# KiCad board panel.opm-lowside.kicad_pcb (continued)
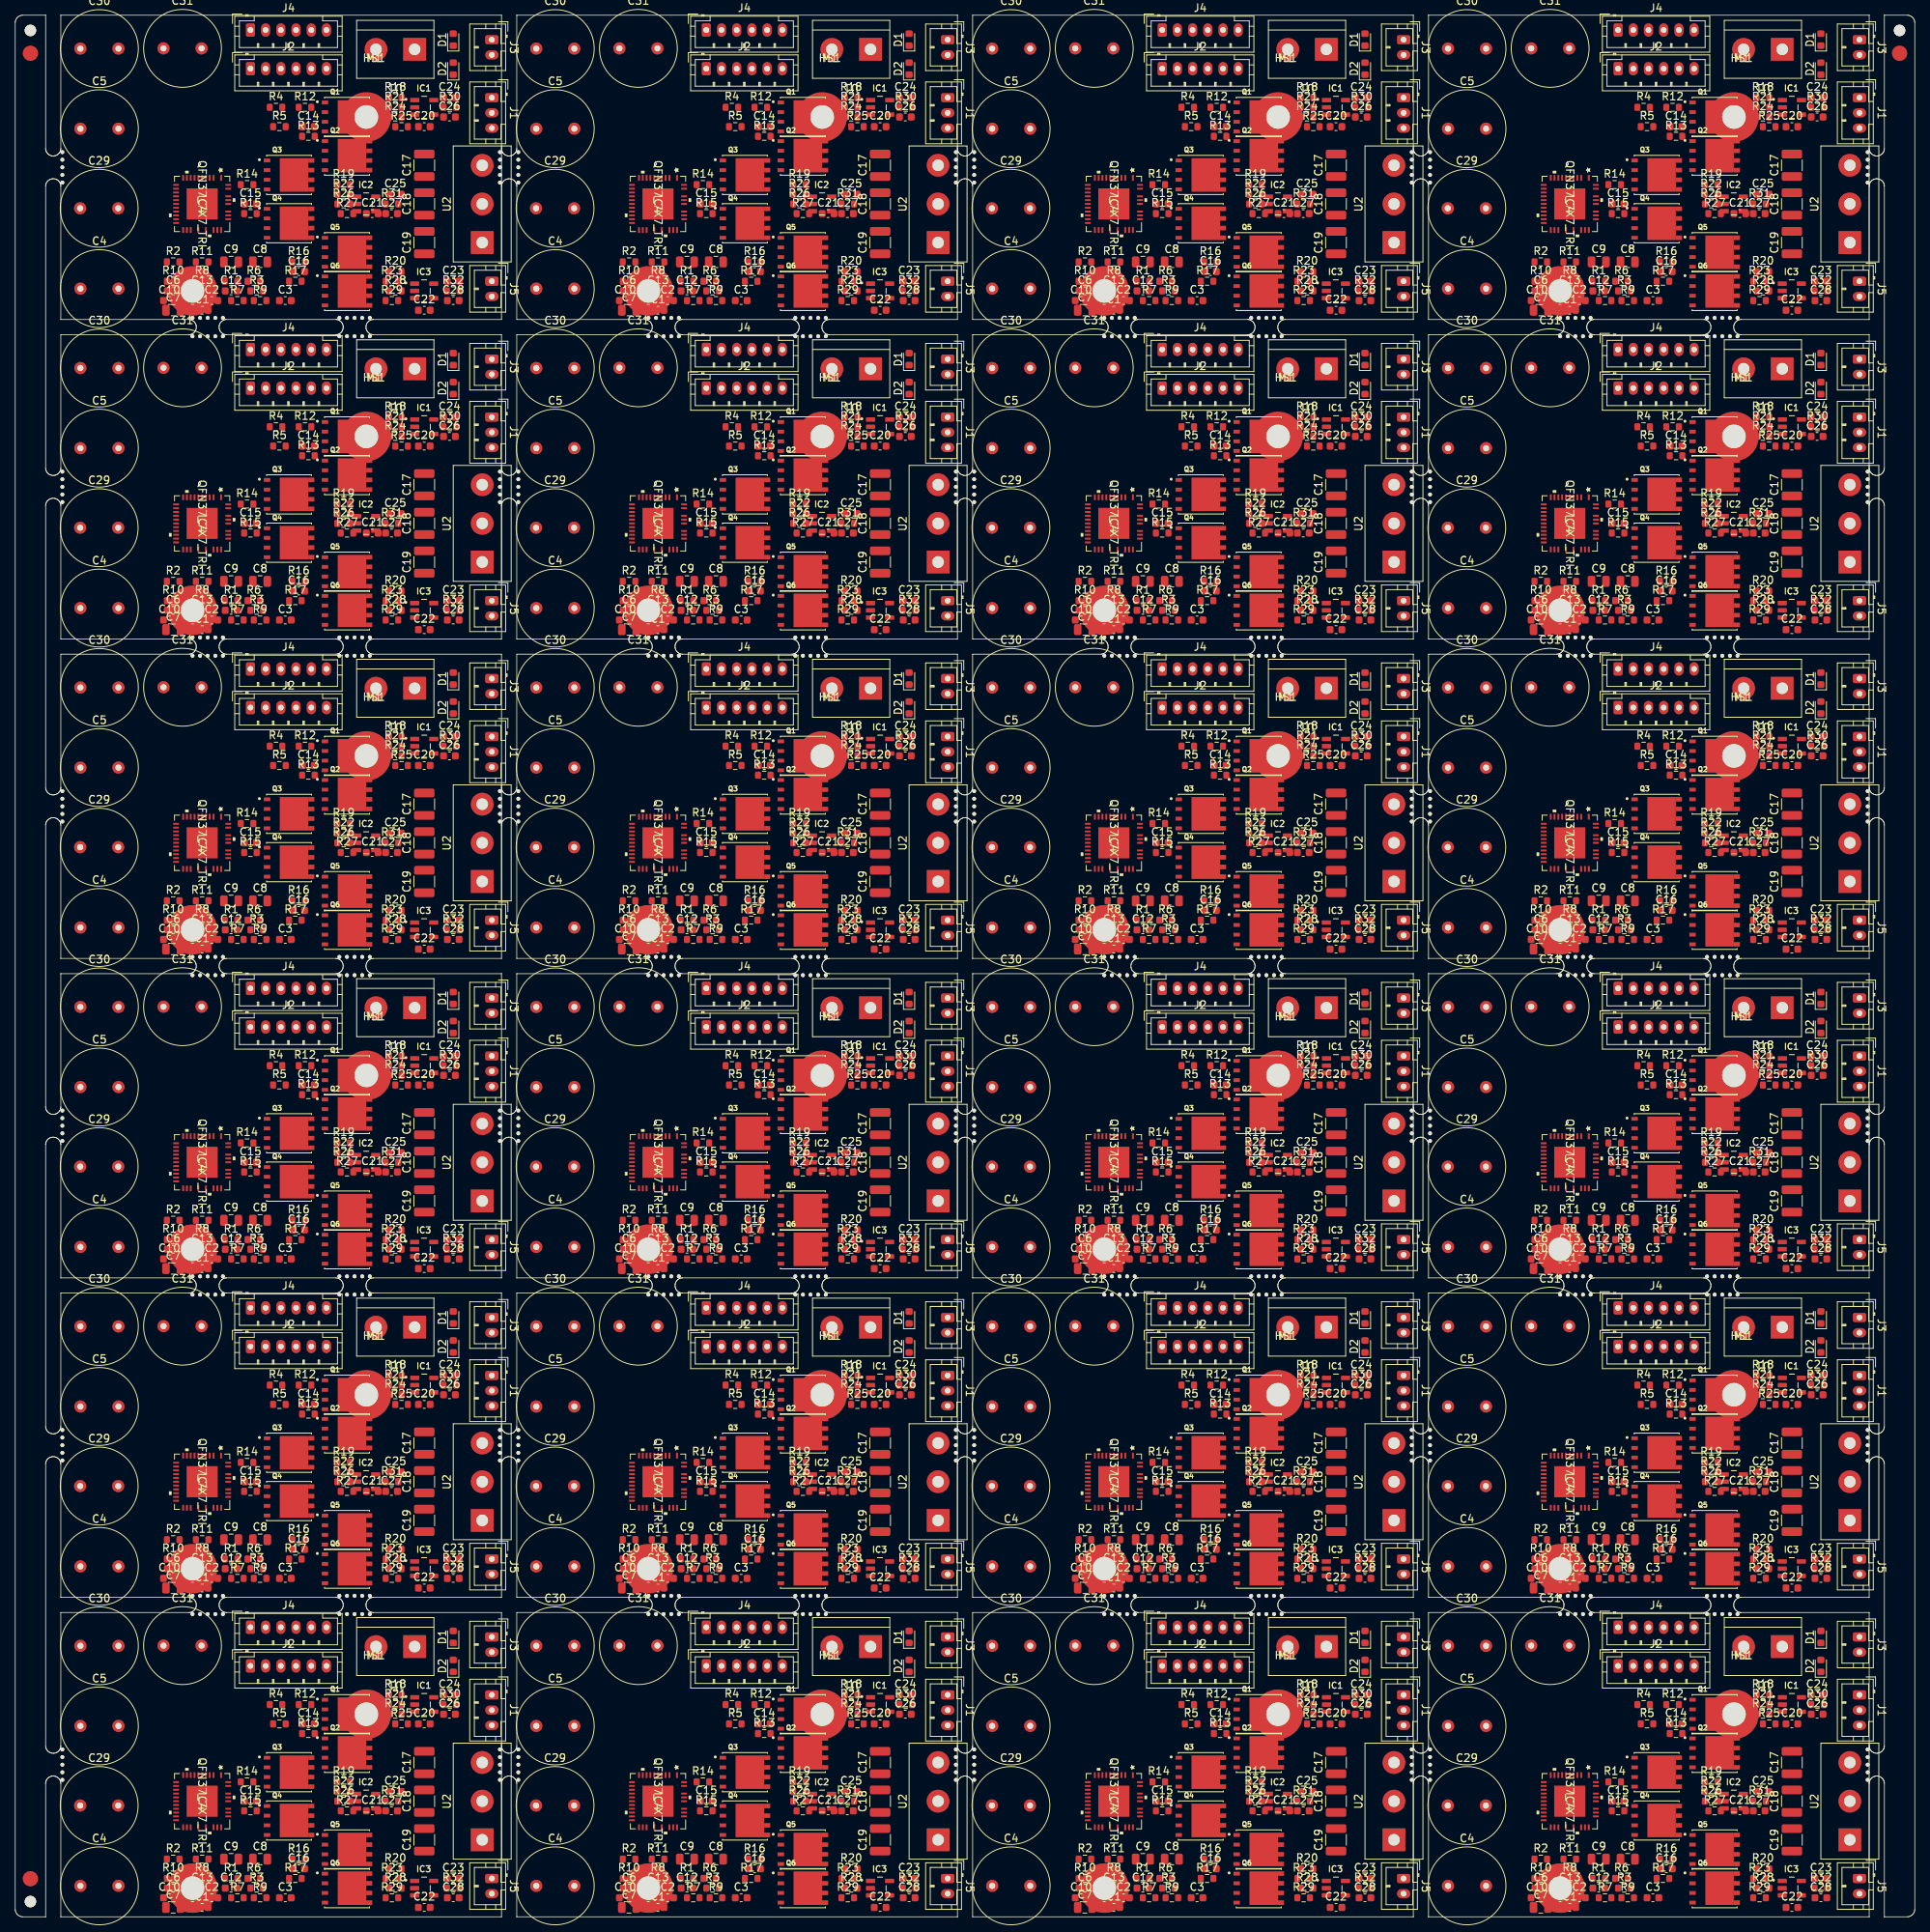
[diagram p0: board, top side]
## Nets (continued)
Board_0-/Connectors/VCC_IO: J3.1
Board_1-/5Vout: C9#2.1 IC4#2.7
Board_1-/12Vout: C8#2.1 IC4#2.6
Board_1-/+Vcc_IO: C10#2.1 IC4#2.16
Board_1-/Connectors/+VCC_IO: R6#2.1 R8#2.1
Board_1-/Connectors/VCC: R4#2.2
Board_1-/Connectors/VCC_IO: J3#2.1
Board_2-/5Vout: C9#3.1 IC4#3.7
Board_2-/12Vout: C8#3.1 IC4#3.6
Board_2-/+Vcc_IO: C10#3.1 IC4#3.16
Board_2-/Connectors/+VCC_IO: R6#3.1 R8#3.1
Board_2-/Connectors/VCC: R4#3.2
Board_2-/Connectors/VCC_IO: J3#3.1
Board_3-/5Vout: C9#4.1 IC4#4.7
Board_3-/12Vout: C8#4.1 IC4#4.6
Board_3-/+Vcc_IO: C10#4.1 IC4#4.16
Board_3-/Connectors/+VCC_IO: R6#4.1 R8#4.1
Board_3-/Connectors/VCC: R4#4.2
Board_3-/Connectors/VCC_IO: J3#4.1
Board_4-/5Vout: C9#5.1 IC4#5.7
Board_4-/12Vout: C8#5.1 IC4#5.6
Board_4-/+Vcc_IO: C10#5.1 IC4#5.16
Board_4-/Connectors/+VCC_IO: R6#5.1 R8#5.1
Board_4-/Connectors/VCC: R4#5.2
Board_4-/Connectors/VCC_IO: J3#5.1
Board_5-/5Vout: C9#6.1 IC4#6.7
Board_5-/12Vout: C8#6.1 IC4#6.6
Board_5-/+Vcc_IO: C10#6.1 IC4#6.16
Board_5-/Connectors/+VCC_IO: R6#6.1 R8#6.1
Board_5-/Connectors/VCC: R4#6.2
Board_5-/Connectors/VCC_IO: J3#6.1
Board_6-/5Vout: C9#7.1 IC4#7.7
Board_6-/12Vout: C8#7.1 IC4#7.6
Board_6-/+Vcc_IO: C10#7.1 IC4#7.16
Board_6-/Connectors/+VCC_IO: R6#7.1 R8#7.1
Board_6-/Connectors/VCC: R4#7.2
Board_6-/Connectors/VCC_IO: J3#7.1
Board_7-/5Vout: C9#8.1 IC4#8.7
Board_7-/12Vout: C8#8.1 IC4#8.6
Board_7-/+Vcc_IO: C10#8.1 IC4#8.16
Board_7-/Connectors/+VCC_IO: R6#8.1 R8#8.1
Board_7-/Connectors/VCC: R4#8.2
Board_7-/Connectors/VCC_IO: J3#8.1
Board_8-/5Vout: C9#9.1 IC4#9.7
Board_8-/12Vout: C8#9.1 IC4#9.6
Board_8-/+Vcc_IO: C10#9.1 IC4#9.16
Board_8-/Connectors/+VCC_IO: R6#9.1 R8#9.1
Board_8-/Connectors/VCC: R4#9.2
Board_8-/Connectors/VCC_IO: J3#9.1
Board_9-/5Vout: C9#10.1 IC4#10.7
Board_9-/12Vout: C8#10.1 IC4#10.6
Board_9-/+Vcc_IO: C10#10.1 IC4#10.16
Board_9-/Connectors/+VCC_IO: R6#10.1 R8#10.1
Board_9-/Connectors/VCC: R4#10.2
Board_9-/Connectors/VCC_IO: J3#10.1
Board_10-/5Vout: C9#11.1 IC4#11.7
Board_10-/12Vout: C8#11.1 IC4#11.6
Board_10-/+Vcc_IO: C10#11.1 IC4#11.16
Board_10-/Connectors/+VCC_IO: R6#11.1 R8#11.1
Board_10-/Connectors/VCC: R4#11.2
Board_10-/Connectors/VCC_IO: J3#11.1
Board_11-/5Vout: C9#12.1 IC4#12.7
Board_11-/12Vout: C8#12.1 IC4#12.6
Board_11-/+Vcc_IO: C10#12.1 IC4#12.16
Board_11-/Connectors/+VCC_IO: R6#12.1 R8#12.1
Board_11-/Connectors/VCC: R4#12.2
Board_11-/Connectors/VCC_IO: J3#12.1
Board_12-/5Vout: C9#13.1 IC4#13.7
Board_12-/12Vout: C8#13.1 IC4#13.6
Board_12-/+Vcc_IO: C10#13.1 IC4#13.16
Board_12-/Connectors/+VCC_IO: R6#13.1 R8#13.1
Board_12-/Connectors/VCC: R4#13.2
Board_12-/Connectors/VCC_IO: J3#13.1
Board_13-/5Vout: C9#14.1 IC4#14.7
Board_13-/12Vout: C8#14.1 IC4#14.6
Board_13-/+Vcc_IO: C10#14.1 IC4#14.16
Board_13-/Connectors/+VCC_IO: R6#14.1 R8#14.1
Board_13-/Connectors/VCC: R4#14.2
Board_13-/Connectors/VCC_IO: J3#14.1
Board_14-/5Vout: C9#15.1 IC4#15.7
Board_14-/12Vout: C8#15.1 IC4#15.6
Board_14-/+Vcc_IO: C10#15.1 IC4#15.16
Board_14-/Connectors/+VCC_IO: R6#15.1 R8#15.1
Board_14-/Connectors/VCC: R4#15.2
Board_14-/Connectors/VCC_IO: J3#15.1
Board_15-/5Vout: C9#16.1 IC4#16.7
Board_15-/12Vout: C8#16.1 IC4#16.6
Board_15-/+Vcc_IO: C10#16.1 IC4#16.16
Board_15-/Connectors/+VCC_IO: R6#16.1 R8#16.1
Board_15-/Connectors/VCC: R4#16.2
Board_15-/Connectors/VCC_IO: J3#16.1
Board_16-/5Vout: C9#17.1 IC4#17.7
Board_16-/12Vout: C8#17.1 IC4#17.6
Board_16-/+Vcc_IO: C10#17.1 IC4#17.16
Board_16-/Connectors/+VCC_IO: R6#17.1 R8#17.1
Board_16-/Connectors/VCC: R4#17.2
Board_16-/Connectors/VCC_IO: J3#17.1
Board_17-/5Vout: C9#18.1 IC4#18.7
Board_17-/12Vout: C8#18.1 IC4#18.6
Board_17-/+Vcc_IO: C10#18.1 IC4#18.16
Board_17-/Connectors/+VCC_IO: R6#18.1 R8#18.1
Board_17-/Connectors/VCC: R4#18.2
Board_17-/Connectors/VCC_IO: J3#18.1
Board_18-/5Vout: C9#19.1 IC4#19.7
Board_18-/12Vout: C8#19.1 IC4#19.6
Board_18-/+Vcc_IO: C10#19.1 IC4#19.16
Board_18-/Connectors/+VCC_IO: R6#19.1 R8#19.1
Board_18-/Connectors/VCC: R4#19.2
Board_18-/Connectors/VCC_IO: J3#19.1
Board_19-/5Vout: C9#20.1 IC4#20.7
Board_19-/12Vout: C8#20.1 IC4#20.6
Board_19-/+Vcc_IO: C10#20.1 IC4#20.16
Board_19-/Connectors/+VCC_IO: R6#20.1 R8#20.1
Board_19-/Connectors/VCC: R4#20.2
Board_19-/Connectors/VCC_IO: J3#20.1
Board_20-/5Vout: C9#21.1 IC4#21.7
Board_20-/12Vout: C8#21.1 IC4#21.6
Board_20-/+Vcc_IO: C10#21.1 IC4#21.16
Board_20-/Connectors/+VCC_IO: R6#21.1 R8#21.1
Board_20-/Connectors/VCC: R4#21.2
Board_20-/Connectors/VCC_IO: J3#21.1
Board_21-/5Vout: C9#22.1 IC4#22.7
Board_21-/12Vout: C8#22.1 IC4#22.6
Board_21-/+Vcc_IO: C10#22.1 IC4#22.16
Board_21-/Connectors/+VCC_IO: R6#22.1 R8#22.1
Board_21-/Connectors/VCC: R4#22.2
Board_21-/Connectors/VCC_IO: J3#22.1
Board_22-/5Vout: C9#23.1 IC4#23.7
Board_22-/12Vout: C8#23.1 IC4#23.6
Board_22-/+Vcc_IO: C10#23.1 IC4#23.16
Board_22-/Connectors/+VCC_IO: R6#23.1 R8#23.1
Board_22-/Connectors/VCC: R4#23.2
Board_22-/Connectors/VCC_IO: J3#23.1
Board_23-/5Vout: C9#24.1 IC4#24.7
Board_23-/12Vout: C8#24.1 IC4#24.6
Board_23-/+Vcc_IO: C10#24.1 IC4#24.16
Board_23-/Connectors/+VCC_IO: R6#24.1 R8#24.1
Board_23-/Connectors/VCC: R4#24.2
Board_23-/Connectors/VCC_IO: J3#24.1
Board_0-+5V: C1.2 C2.2 C3.2 C4.2 C5.2 C6.2 C7.2 C8.2 C9.2 C10.2 C12.1 C17.2 C18.2 C19.2 C23.1 C24.1 C25.1 C26.2 C27.2 C28.2 C29.2 C30.2 C31.2 D1.1 D2.1 IC1.2 IC2.2 IC3.2 IC4.8 IC4.9 J3.2 J5.2 R3.2 R7.2 R9.2 R11.2 R18.2 R19.2 R21.2 R22.2 R25.2 R27.2 U1.1
Board_0-/+VM: C4.1 C5.1 C12.2 C13.2 C17.1 C18.1 C19.1 C29.1 C30.1 C31.1 IC4.28 Q1.1 Q1.2 Q1.3 Q3.1 Q3.2 Q3.3 Q5.1 Q5.2 Q5.3 U1.2
Board_0-/ADC_I_u: J1.1
Board_0-/ADC_I_w: J1.3
Board_0-/Connectors/ADC_I_v: J1.2
Board_0-/Connectors/FAULT: J2.6
Board_0-/Connectors/Fault: R5.2
Board_0-/Connectors/SPI1_MISO: J2.4
Board_0-/Connectors/SPI1_MOSI: J2.3
Board_0-/Connectors/SPI1_SCK: J2.2
Board_0-/Connectors/VOFS: R6.2 R7.1
Board_0-/DRV_EN: IC4.24 J2.5
Board_0-/Fault: IC4.23
Board_0-/Motor Driver/SPI2_MISO: IC4.13
Board_0-/SPE: IC4.22 R8.2 R9.1
Board_0-/SPI2_MOSI: IC4.12
Board_0-/SPI2_SCK: IC4.11
Board_0-/U: C3.1 U2.3
Board_0-/UH: IC4.14 J4.6
Board_0-/UL: IC4.15 J4.5
Board_0-/V: C2.1 U2.2
Board_0-/VCP: C13.1 IC4.29
Board_0-/VH: IC4.17 J4.4
Board_0-/VL: IC4.18 J4.3
Board_0-/VSA: C7.1 IC4.25 R10.1
Board_0-/W: C1.1 U2.1
Board_0-/WH: IC4.19 J4.2
Board_0-/WL: IC4.20 J4.1
Board_0-/~{CS_DRIVER}: IC4.10 J2.1
Board_0-Net-(C6-Pad1): C6.1 J5.1 R2.2 R3.1
Board_0-Net-(C11-Pad1): C11.1 IC4.27
Board_0-Net-(C11-Pad2): C11.2 IC4.26
Board_0-Net-(C14-Pad1): C14.1 IC4.36 Q1.5 Q1.6 Q1.7 Q1.8 Q2.1 Q2.2 Q2.3
Board_0-Net-(C14-Pad2): C14.2 IC4.1
Board_0-Net-(C15-Pad1): C15.1 IC4.33 Q3.5 Q3.6 Q3.7 Q3.8 Q4.1 Q4.2 Q4.3
Board_0-Net-(C15-Pad2): C15.2 IC4.35
Board_0-Net-(C16-Pad1): C16.1 IC4.32 Q5.5 Q5.6 Q5.7 Q5.8 Q6.1 Q6.2 Q6.3
Board_0-Net-(C16-Pad2): C16.2 IC4.30
Board_0-Net-(C20-Pad1): C20.1 IC1.3 R24.1
Board_0-Net-(C20-Pad2): C20.2 IC1.4 R25.1
Board_0-Net-(C21-Pad1): C21.1 IC2.3 R26.1
Board_0-Net-(C21-Pad2): C21.2 IC2.4 R27.1
Board_0-Net-(C22-Pad1): C22.1 IC3.3 R28.1
Board_0-Net-(C22-Pad2): C22.2 IC3.4 R29.1
Board_0-Net-(C23-Pad2): C23.2 IC3.5
Board_0-Net-(C24-Pad2): C24.2 IC1.5
Board_0-Net-(C25-Pad2): C25.2 IC2.5
Board_0-Net-(D1-Pad2): D1.2 R4.1
Board_0-Net-(D2-Pad2): D2.2 R5.1
Board_0-Net-(IC1-Pad1): IC1.1 R30.2
Board_0-Net-(IC2-Pad1): IC2.1 R31.2
Board_0-Net-(IC3-Pad1): IC3.1 R32.2
Board_0-Net-(IC4-Pad2): IC4.2
Board_0-Net-(IC4-Pad3): IC4.3 R17.2
Board_0-Net-(IC4-Pad4): IC4.4 R15.2
Board_0-Net-(IC4-Pad5): IC4.5 R13.2
Board_0-Net-(IC4-Pad21): IC4.21 R11.1
Board_0-Net-(IC4-Pad31): IC4.31 R16.2
Board_0-Net-(IC4-Pad34): IC4.34 R14.2
Board_0-Net-(IC4-Pad37): IC4.37 R12.2
Board_0-Net-(Q1-Pad4): Q1.4 R12.1
Board_0-Net-(Q2-Pad4): Q2.4 R13.1
Board_0-Net-(Q2-Pad5): Q2.5 Q2.6 Q2.7 Q2.8 R18.1 R21.1 R24.2
Board_0-Net-(Q3-Pad4): Q3.4 R14.1
Board_0-Net-(Q4-Pad4): Q4.4 R15.1
Board_0-Net-(Q4-Pad5): Q4.5 Q4.6 Q4.7 Q4.8 R19.1 R22.1 R26.2
Board_0-Net-(Q5-Pad4): Q5.4 R16.1
Board_0-Net-(Q6-Pad4): Q6.4 R17.1
Board_0-Net-(Q6-Pad5): Q6.5 Q6.6 Q6.7 Q6.8 R20.1 R23.1 R28.2
Board_0-Net-(R1-Pad1): R1.1
Board_0-Net-(R1-Pad2): R1.2 R2.1
Board_0-Net-(R10-Pad2): R10.2
Board_0-Net-(R20-Pad2): R20.2 R23.2 R29.2
Board_0-U-IA-IDC: C26.1 R30.1
Board_0-V-IA-IDC: C27.1 R31.1
Board_0-W-IA-IDC: C28.1 R32.1
Board_1-+5V: C1#2.2 C2#2.2 C3#2.2 C4#2.2 C5#2.2 C6#2.2 C7#2.2 C8#2.2 C9#2.2 C10#2.2 C12#2.1 C17#2.2 C18#2.2 C19#2.2 C23#2.1 C24#2.1 C25#2.1 C26#2.2 C27#2.2 C28#2.2 C29#2.2 C30#2.2 C31#2.2 D1#2.1 D2#2.1 IC1#2.2 IC2#2.2 IC3#2.2 IC4#2.8 IC4#2.9 J3#2.2 J5#2.2 R3#2.2 R7#2.2 R9#2.2 R11#2.2 R18#2.2 R19#2.2 R21#2.2 R22#2.2 R25#2.2 R27#2.2 U1#2.1
Board_1-/+VM: C4#2.1 C5#2.1 C12#2.2 C13#2.2 C17#2.1 C18#2.1 C19#2.1 C29#2.1 C30#2.1 C31#2.1 IC4#2.28 Q1#2.1 Q1#2.2 Q1#2.3 Q3#2.1 Q3#2.2 Q3#2.3 Q5#2.1 Q5#2.2 Q5#2.3 U1#2.2
Board_1-/ADC_I_u: J1#2.1
Board_1-/ADC_I_w: J1#2.3
Board_1-/Connectors/ADC_I_v: J1#2.2
Board_1-/Connectors/FAULT: J2#2.6
Board_1-/Connectors/Fault: R5#2.2
Board_1-/Connectors/SPI1_MISO: J2#2.4
Board_1-/Connectors/SPI1_MOSI: J2#2.3
Board_1-/Connectors/SPI1_SCK: J2#2.2
Board_1-/Connectors/VOFS: R6#2.2 R7#2.1
Board_1-/DRV_EN: IC4#2.24 J2#2.5
Board_1-/Fault: IC4#2.23
Board_1-/Motor Driver/SPI2_MISO: IC4#2.13
Board_1-/SPE: IC4#2.22 R8#2.2 R9#2.1
Board_1-/SPI2_MOSI: IC4#2.12
Board_1-/SPI2_SCK: IC4#2.11
Board_1-/U: C3#2.1 U2#2.3
Board_1-/UH: IC4#2.14 J4#2.6
Board_1-/UL: IC4#2.15 J4#2.5
Board_1-/V: C2#2.1 U2#2.2
Board_1-/VCP: C13#2.1 IC4#2.29
Board_1-/VH: IC4#2.17 J4#2.4
Board_1-/VL: IC4#2.18 J4#2.3
Board_1-/VSA: C7#2.1 IC4#2.25 R10#2.1
Board_1-/W: C1#2.1 U2#2.1
Board_1-/WH: IC4#2.19 J4#2.2
Board_1-/WL: IC4#2.20 J4#2.1
Board_1-/~{CS_DRIVER}: IC4#2.10 J2#2.1
Board_1-Net-(C6-Pad1): C6#2.1 J5#2.1 R2#2.2 R3#2.1
Board_1-Net-(C11-Pad1): C11#2.1 IC4#2.27
Board_1-Net-(C11-Pad2): C11#2.2 IC4#2.26
Board_1-Net-(C14-Pad1): C14#2.1 IC4#2.36 Q1#2.5 Q1#2.6 Q1#2.7 Q1#2.8 Q2#2.1 Q2#2.2 Q2#2.3
Board_1-Net-(C14-Pad2): C14#2.2 IC4#2.1
Board_1-Net-(C15-Pad1): C15#2.1 IC4#2.33 Q3#2.5 Q3#2.6 Q3#2.7 Q3#2.8 Q4#2.1 Q4#2.2 Q4#2.3
Board_1-Net-(C15-Pad2): C15#2.2 IC4#2.35
Board_1-Net-(C16-Pad1): C16#2.1 IC4#2.32 Q5#2.5 Q5#2.6 Q5#2.7 Q5#2.8 Q6#2.1 Q6#2.2 Q6#2.3
Board_1-Net-(C16-Pad2): C16#2.2 IC4#2.30
Board_1-Net-(C20-Pad1): C20#2.1 IC1#2.3 R24#2.1
Board_1-Net-(C20-Pad2): C20#2.2 IC1#2.4 R25#2.1
Board_1-Net-(C21-Pad1): C21#2.1 IC2#2.3 R26#2.1
Board_1-Net-(C21-Pad2): C21#2.2 IC2#2.4 R27#2.1
Board_1-Net-(C22-Pad1): C22#2.1 IC3#2.3 R28#2.1
Board_1-Net-(C22-Pad2): C22#2.2 IC3#2.4 R29#2.1
Board_1-Net-(C23-Pad2): C23#2.2 IC3#2.5
Board_1-Net-(C24-Pad2): C24#2.2 IC1#2.5
Board_1-Net-(C25-Pad2): C25#2.2 IC2#2.5
Board_1-Net-(D1-Pad2): D1#2.2 R4#2.1
Board_1-Net-(D2-Pad2): D2#2.2 R5#2.1
Board_1-Net-(IC1-Pad1): IC1#2.1 R30#2.2
Board_1-Net-(IC2-Pad1): IC2#2.1 R31#2.2
Board_1-Net-(IC3-Pad1): IC3#2.1 R32#2.2
Board_1-Net-(IC4-Pad2): IC4#2.2
Board_1-Net-(IC4-Pad3): IC4#2.3 R17#2.2
Board_1-Net-(IC4-Pad4): IC4#2.4 R15#2.2
Board_1-Net-(IC4-Pad5): IC4#2.5 R13#2.2
Board_1-Net-(IC4-Pad21): IC4#2.21 R11#2.1
Board_1-Net-(IC4-Pad31): IC4#2.31 R16#2.2
Board_1-Net-(IC4-Pad34): IC4#2.34 R14#2.2
Board_1-Net-(IC4-Pad37): IC4#2.37 R12#2.2
Board_1-Net-(Q1-Pad4): Q1#2.4 R12#2.1
Board_1-Net-(Q2-Pad4): Q2#2.4 R13#2.1
Board_1-Net-(Q2-Pad5): Q2#2.5 Q2#2.6 Q2#2.7 Q2#2.8 R18#2.1 R21#2.1 R24#2.2
Board_1-Net-(Q3-Pad4): Q3#2.4 R14#2.1
Board_1-Net-(Q4-Pad4): Q4#2.4 R15#2.1
Board_1-Net-(Q4-Pad5): Q4#2.5 Q4#2.6 Q4#2.7 Q4#2.8 R19#2.1 R22#2.1 R26#2.2
Board_1-Net-(Q5-Pad4): Q5#2.4 R16#2.1
Board_1-Net-(Q6-Pad4): Q6#2.4 R17#2.1
Board_1-Net-(Q6-Pad5): Q6#2.5 Q6#2.6 Q6#2.7 Q6#2.8 R20#2.1 R23#2.1 R28#2.2
Board_1-Net-(R1-Pad1): R1#2.1
Board_1-Net-(R1-Pad2): R1#2.2 R2#2.1
Board_1-Net-(R10-Pad2): R10#2.2
Board_1-Net-(R20-Pad2): R20#2.2 R23#2.2 R29#2.2
Board_1-U-IA-IDC: C26#2.1 R30#2.1
Board_1-V-IA-IDC: C27#2.1 R31#2.1
Board_1-W-IA-IDC: C28#2.1 R32#2.1
Board_2-+5V: C1#3.2 C2#3.2 C3#3.2 C4#3.2 C5#3.2 C6#3.2 C7#3.2 C8#3.2 C9#3.2 C10#3.2 C12#3.1 C17#3.2 C18#3.2 C19#3.2 C23#3.1 C24#3.1 C25#3.1 C26#3.2 C27#3.2 C28#3.2 C29#3.2 C30#3.2 C31#3.2 D1#3.1 D2#3.1 IC1#3.2 IC2#3.2 IC3#3.2 IC4#3.8 IC4#3.9 J3#3.2 J5#3.2 R3#3.2 R7#3.2 R9#3.2 R11#3.2 R18#3.2 R19#3.2 R21#3.2 R22#3.2 R25#3.2 R27#3.2 U1#3.1
Board_2-/+VM: C4#3.1 C5#3.1 C12#3.2 C13#3.2 C17#3.1 C18#3.1 C19#3.1 C29#3.1 C30#3.1 C31#3.1 IC4#3.28 Q1#3.1 Q1#3.2 Q1#3.3 Q3#3.1 Q3#3.2 Q3#3.3 Q5#3.1 Q5#3.2 Q5#3.3 U1#3.2
Board_2-/ADC_I_u: J1#3.1
Board_2-/ADC_I_w: J1#3.3
Board_2-/Connectors/ADC_I_v: J1#3.2
Board_2-/Connectors/FAULT: J2#3.6
Board_2-/Connectors/Fault: R5#3.2
Board_2-/Connectors/SPI1_MISO: J2#3.4
Board_2-/Connectors/SPI1_MOSI: J2#3.3
Board_2-/Connectors/SPI1_SCK: J2#3.2
Board_2-/Connectors/VOFS: R6#3.2 R7#3.1
Board_2-/DRV_EN: IC4#3.24 J2#3.5
Board_2-/Fault: IC4#3.23
Board_2-/Motor Driver/SPI2_MISO: IC4#3.13
Board_2-/SPE: IC4#3.22 R8#3.2 R9#3.1
Board_2-/SPI2_MOSI: IC4#3.12
Board_2-/SPI2_SCK: IC4#3.11
Board_2-/U: C3#3.1 U2#3.3
Board_2-/UH: IC4#3.14 J4#3.6
Board_2-/UL: IC4#3.15 J4#3.5
Board_2-/V: C2#3.1 U2#3.2
Board_2-/VCP: C13#3.1 IC4#3.29
Board_2-/VH: IC4#3.17 J4#3.4
Board_2-/VL: IC4#3.18 J4#3.3
Board_2-/VSA: C7#3.1 IC4#3.25 R10#3.1
Board_2-/W: C1#3.1 U2#3.1
Board_2-/WH: IC4#3.19 J4#3.2
Board_2-/WL: IC4#3.20 J4#3.1
Board_2-/~{CS_DRIVER}: IC4#3.10 J2#3.1
Board_2-Net-(C6-Pad1): C6#3.1 J5#3.1 R2#3.2 R3#3.1
Board_2-Net-(C11-Pad1): C11#3.1 IC4#3.27
Board_2-Net-(C11-Pad2): C11#3.2 IC4#3.26
Board_2-Net-(C14-Pad1): C14#3.1 IC4#3.36 Q1#3.5 Q1#3.6 Q1#3.7 Q1#3.8 Q2#3.1 Q2#3.2 Q2#3.3
Board_2-Net-(C14-Pad2): C14#3.2 IC4#3.1
Board_2-Net-(C15-Pad1): C15#3.1 IC4#3.33 Q3#3.5 Q3#3.6 Q3#3.7 Q3#3.8 Q4#3.1 Q4#3.2 Q4#3.3
Board_2-Net-(C15-Pad2): C15#3.2 IC4#3.35
Board_2-Net-(C16-Pad1): C16#3.1 IC4#3.32 Q5#3.5 Q5#3.6 Q5#3.7 Q5#3.8 Q6#3.1 Q6#3.2 Q6#3.3
Board_2-Net-(C16-Pad2): C16#3.2 IC4#3.30
Board_2-Net-(C20-Pad1): C20#3.1 IC1#3.3 R24#3.1
Board_2-Net-(C20-Pad2): C20#3.2 IC1#3.4 R25#3.1
Board_2-Net-(C21-Pad1): C21#3.1 IC2#3.3 R26#3.1
Board_2-Net-(C21-Pad2): C21#3.2 IC2#3.4 R27#3.1
Board_2-Net-(C22-Pad1): C22#3.1 IC3#3.3 R28#3.1
Board_2-Net-(C22-Pad2): C22#3.2 IC3#3.4 R29#3.1
Board_2-Net-(C23-Pad2): C23#3.2 IC3#3.5
Board_2-Net-(C24-Pad2): C24#3.2 IC1#3.5
Board_2-Net-(C25-Pad2): C25#3.2 IC2#3.5
Board_2-Net-(D1-Pad2): D1#3.2 R4#3.1
Board_2-Net-(D2-Pad2): D2#3.2 R5#3.1
Board_2-Net-(IC1-Pad1): IC1#3.1 R30#3.2
Board_2-Net-(IC2-Pad1): IC2#3.1 R31#3.2
Board_2-Net-(IC3-Pad1): IC3#3.1 R32#3.2
Board_2-Net-(IC4-Pad2): IC4#3.2
Board_2-Net-(IC4-Pad3): IC4#3.3 R17#3.2
Board_2-Net-(IC4-Pad4): IC4#3.4 R15#3.2
Board_2-Net-(IC4-Pad5): IC4#3.5 R13#3.2
Board_2-Net-(IC4-Pad21): IC4#3.21 R11#3.1
Board_2-Net-(IC4-Pad31): IC4#3.31 R16#3.2
Board_2-Net-(IC4-Pad34): IC4#3.34 R14#3.2
Board_2-Net-(IC4-Pad37): IC4#3.37 R12#3.2
Board_2-Net-(Q1-Pad4): Q1#3.4 R12#3.1
Board_2-Net-(Q2-Pad4): Q2#3.4 R13#3.1
Board_2-Net-(Q2-Pad5): Q2#3.5 Q2#3.6 Q2#3.7 Q2#3.8 R18#3.1 R21#3.1 R24#3.2
Board_2-Net-(Q3-Pad4): Q3#3.4 R14#3.1
Board_2-Net-(Q4-Pad4): Q4#3.4 R15#3.1
Board_2-Net-(Q4-Pad5): Q4#3.5 Q4#3.6 Q4#3.7 Q4#3.8 R19#3.1 R22#3.1 R26#3.2
Board_2-Net-(Q5-Pad4): Q5#3.4 R16#3.1
Board_2-Net-(Q6-Pad4): Q6#3.4 R17#3.1
Board_2-Net-(Q6-Pad5): Q6#3.5 Q6#3.6 Q6#3.7 Q6#3.8 R20#3.1 R23#3.1 R28#3.2
Board_2-Net-(R1-Pad1): R1#3.1
Board_2-Net-(R1-Pad2): R1#3.2 R2#3.1
Board_2-Net-(R10-Pad2): R10#3.2
Board_2-Net-(R20-Pad2): R20#3.2 R23#3.2 R29#3.2
Board_2-U-IA-IDC: C26#3.1 R30#3.1
Board_2-V-IA-IDC: C27#3.1 R31#3.1
Board_2-W-IA-IDC: C28#3.1 R32#3.1
Board_3-+5V: C1#4.2 C2#4.2 C3#4.2 C4#4.2 C5#4.2 C6#4.2 C7#4.2 C8#4.2 C9#4.2 C10#4.2 C12#4.1 C17#4.2 C18#4.2 C19#4.2 C23#4.1 C24#4.1 C25#4.1 C26#4.2 C27#4.2 C28#4.2 C29#4.2 C30#4.2 C31#4.2 D1#4.1 D2#4.1 IC1#4.2 IC2#4.2 IC3#4.2 IC4#4.8 IC4#4.9 J3#4.2 J5#4.2 R3#4.2 R7#4.2 R9#4.2 R11#4.2 R18#4.2 R19#4.2 R21#4.2 R22#4.2 R25#4.2 R27#4.2 U1#4.1
Board_3-/+VM: C4#4.1 C5#4.1 C12#4.2 C13#4.2 C17#4.1 C18#4.1 C19#4.1 C29#4.1 C30#4.1 C31#4.1 IC4#4.28 Q1#4.1 Q1#4.2 Q1#4.3 Q3#4.1 Q3#4.2 Q3#4.3 Q5#4.1 Q5#4.2 Q5#4.3 U1#4.2
Board_3-/ADC_I_u: J1#4.1
Board_3-/ADC_I_w: J1#4.3
Board_3-/Connectors/ADC_I_v: J1#4.2
Board_3-/Connectors/FAULT: J2#4.6
Board_3-/Connectors/Fault: R5#4.2
Board_3-/Connectors/SPI1_MISO: J2#4.4
Board_3-/Connectors/SPI1_MOSI: J2#4.3
Board_3-/Connectors/SPI1_SCK: J2#4.2
Board_3-/Connectors/VOFS: R6#4.2 R7#4.1
Board_3-/DRV_EN: IC4#4.24 J2#4.5
Board_3-/Fault: IC4#4.23
Board_3-/Motor Driver/SPI2_MISO: IC4#4.13
Board_3-/SPE: IC4#4.22 R8#4.2 R9#4.1
Board_3-/SPI2_MOSI: IC4#4.12
Board_3-/SPI2_SCK: IC4#4.11
Board_3-/U: C3#4.1 U2#4.3
Board_3-/UH: IC4#4.14 J4#4.6
Board_3-/UL: IC4#4.15 J4#4.5
Board_3-/V: C2#4.1 U2#4.2
Board_3-/VCP: C13#4.1 IC4#4.29
Board_3-/VH: IC4#4.17 J4#4.4
Board_3-/VL: IC4#4.18 J4#4.3
Board_3-/VSA: C7#4.1 IC4#4.25 R10#4.1
Board_3-/W: C1#4.1 U2#4.1
Board_3-/WH: IC4#4.19 J4#4.2
Board_3-/WL: IC4#4.20 J4#4.1
Board_3-/~{CS_DRIVER}: IC4#4.10 J2#4.1
Board_3-Net-(C6-Pad1): C6#4.1 J5#4.1 R2#4.2 R3#4.1
Board_3-Net-(C11-Pad1): C11#4.1 IC4#4.27
Board_3-Net-(C11-Pad2): C11#4.2 IC4#4.26
Board_3-Net-(C14-Pad1): C14#4.1 IC4#4.36 Q1#4.5 Q1#4.6 Q1#4.7 Q1#4.8 Q2#4.1 Q2#4.2 Q2#4.3
Board_3-Net-(C14-Pad2): C14#4.2 IC4#4.1
Board_3-Net-(C15-Pad1): C15#4.1 IC4#4.33 Q3#4.5 Q3#4.6 Q3#4.7 Q3#4.8 Q4#4.1 Q4#4.2 Q4#4.3
Board_3-Net-(C15-Pad2): C15#4.2 IC4#4.35
Board_3-Net-(C16-Pad1): C16#4.1 IC4#4.32 Q5#4.5 Q5#4.6 Q5#4.7 Q5#4.8 Q6#4.1 Q6#4.2 Q6#4.3
Board_3-Net-(C16-Pad2): C16#4.2 IC4#4.30
Board_3-Net-(C20-Pad1): C20#4.1 IC1#4.3 R24#4.1
Board_3-Net-(C20-Pad2): C20#4.2 IC1#4.4 R25#4.1
Board_3-Net-(C21-Pad1): C21#4.1 IC2#4.3 R26#4.1
Board_3-Net-(C21-Pad2): C21#4.2 IC2#4.4 R27#4.1
Board_3-Net-(C22-Pad1): C22#4.1 IC3#4.3 R28#4.1
Board_3-Net-(C22-Pad2): C22#4.2 IC3#4.4 R29#4.1
Board_3-Net-(C23-Pad2): C23#4.2 IC3#4.5
Board_3-Net-(C24-Pad2): C24#4.2 IC1#4.5
Board_3-Net-(C25-Pad2): C25#4.2 IC2#4.5
Board_3-Net-(D1-Pad2): D1#4.2 R4#4.1
Board_3-Net-(D2-Pad2): D2#4.2 R5#4.1
Board_3-Net-(IC1-Pad1): IC1#4.1 R30#4.2
Board_3-Net-(IC2-Pad1): IC2#4.1 R31#4.2
Board_3-Net-(IC3-Pad1): IC3#4.1 R32#4.2
Board_3-Net-(IC4-Pad2): IC4#4.2
Board_3-Net-(IC4-Pad3): IC4#4.3 R17#4.2
Board_3-Net-(IC4-Pad4): IC4#4.4 R15#4.2
Board_3-Net-(IC4-Pad5): IC4#4.5 R13#4.2
Board_3-Net-(IC4-Pad21): IC4#4.21 R11#4.1
Board_3-Net-(IC4-Pad31): IC4#4.31 R16#4.2
Board_3-Net-(IC4-Pad34): IC4#4.34 R14#4.2
Board_3-Net-(IC4-Pad37): IC4#4.37 R12#4.2
Board_3-Net-(Q1-Pad4): Q1#4.4 R12#4.1
Board_3-Net-(Q2-Pad4): Q2#4.4 R13#4.1
Board_3-Net-(Q2-Pad5): Q2#4.5 Q2#4.6 Q2#4.7 Q2#4.8 R18#4.1 R21#4.1 R24#4.2
Board_3-Net-(Q3-Pad4): Q3#4.4 R14#4.1
Board_3-Net-(Q4-Pad4): Q4#4.4 R15#4.1
Board_3-Net-(Q4-Pad5): Q4#4.5 Q4#4.6 Q4#4.7 Q4#4.8 R19#4.1 R22#4.1 R26#4.2
Board_3-Net-(Q5-Pad4): Q5#4.4 R16#4.1
Board_3-Net-(Q6-Pad4): Q6#4.4 R17#4.1
Board_3-Net-(Q6-Pad5): Q6#4.5 Q6#4.6 Q6#4.7 Q6#4.8 R20#4.1 R23#4.1 R28#4.2
Board_3-Net-(R1-Pad1): R1#4.1
Board_3-Net-(R1-Pad2): R1#4.2 R2#4.1
Board_3-Net-(R10-Pad2): R10#4.2
Board_3-Net-(R20-Pad2): R20#4.2 R23#4.2 R29#4.2
Board_3-U-IA-IDC: C26#4.1 R30#4.1
Board_3-V-IA-IDC: C27#4.1 R31#4.1
Board_3-W-IA-IDC: C28#4.1 R32#4.1
Board_4-+5V: C1#5.2 C2#5.2 C3#5.2 C4#5.2 C5#5.2 C6#5.2 C7#5.2 C8#5.2 C9#5.2 C10#5.2 C12#5.1 C17#5.2 C18#5.2 C19#5.2 C23#5.1 C24#5.1 C25#5.1 C26#5.2 C27#5.2 C28#5.2 C29#5.2 C30#5.2 C31#5.2 D1#5.1 D2#5.1 IC1#5.2 IC2#5.2 IC3#5.2 IC4#5.8 IC4#5.9 J3#5.2 J5#5.2 R3#5.2 R7#5.2 R9#5.2 R11#5.2 R18#5.2 R19#5.2 R21#5.2 R22#5.2 R25#5.2 R27#5.2 U1#5.1
Board_4-/+VM: C4#5.1 C5#5.1 C12#5.2 C13#5.2 C17#5.1 C18#5.1 C19#5.1 C29#5.1 C30#5.1 C31#5.1 IC4#5.28 Q1#5.1 Q1#5.2 Q1#5.3 Q3#5.1 Q3#5.2 Q3#5.3 Q5#5.1 Q5#5.2 Q5#5.3 U1#5.2
Board_4-/ADC_I_u: J1#5.1
Board_4-/ADC_I_w: J1#5.3
Board_4-/Connectors/ADC_I_v: J1#5.2
Board_4-/Connectors/FAULT: J2#5.6
Board_4-/Connectors/Fault: R5#5.2
Board_4-/Connectors/SPI1_MISO: J2#5.4
Board_4-/Connectors/SPI1_MOSI: J2#5.3
Board_4-/Connectors/SPI1_SCK: J2#5.2
Board_4-/Connectors/VOFS: R6#5.2 R7#5.1
Board_4-/DRV_EN: IC4#5.24 J2#5.5
Board_4-/Fault: IC4#5.23
Board_4-/Motor Driver/SPI2_MISO: IC4#5.13
Board_4-/SPE: IC4#5.22 R8#5.2 R9#5.1
Board_4-/SPI2_MOSI: IC4#5.12
Board_4-/SPI2_SCK: IC4#5.11
Board_4-/U: C3#5.1 U2#5.3
Board_4-/UH: IC4#5.14 J4#5.6
Board_4-/UL: IC4#5.15 J4#5.5
Board_4-/V: C2#5.1 U2#5.2
Board_4-/VCP: C13#5.1 IC4#5.29
Board_4-/VH: IC4#5.17 J4#5.4
Board_4-/VL: IC4#5.18 J4#5.3
Board_4-/VSA: C7#5.1 IC4#5.25 R10#5.1
Board_4-/W: C1#5.1 U2#5.1
Board_4-/WH: IC4#5.19 J4#5.2
Board_4-/WL: IC4#5.20 J4#5.1
Board_4-/~{CS_DRIVER}: IC4#5.10 J2#5.1
Board_4-Net-(C6-Pad1): C6#5.1 J5#5.1 R2#5.2 R3#5.1
Board_4-Net-(C11-Pad1): C11#5.1 IC4#5.27
Board_4-Net-(C11-Pad2): C11#5.2 IC4#5.26
Board_4-Net-(C14-Pad1): C14#5.1 IC4#5.36 Q1#5.5 Q1#5.6 Q1#5.7 Q1#5.8 Q2#5.1 Q2#5.2 Q2#5.3
Board_4-Net-(C14-Pad2): C14#5.2 IC4#5.1
Board_4-Net-(C15-Pad1): C15#5.1 IC4#5.33 Q3#5.5 Q3#5.6 Q3#5.7 Q3#5.8 Q4#5.1 Q4#5.2 Q4#5.3
Board_4-Net-(C15-Pad2): C15#5.2 IC4#5.35
Board_4-Net-(C16-Pad1): C16#5.1 IC4#5.32 Q5#5.5 Q5#5.6 Q5#5.7 Q5#5.8 Q6#5.1 Q6#5.2 Q6#5.3
Board_4-Net-(C16-Pad2): C16#5.2 IC4#5.30
Board_4-Net-(C20-Pad1): C20#5.1 IC1#5.3 R24#5.1
Board_4-Net-(C20-Pad2): C20#5.2 IC1#5.4 R25#5.1
Board_4-Net-(C21-Pad1): C21#5.1 IC2#5.3 R26#5.1
Board_4-Net-(C21-Pad2): C21#5.2 IC2#5.4 R27#5.1
Board_4-Net-(C22-Pad1): C22#5.1 IC3#5.3 R28#5.1
Board_4-Net-(C22-Pad2): C22#5.2 IC3#5.4 R29#5.1
Board_4-Net-(C23-Pad2): C23#5.2 IC3#5.5
Board_4-Net-(C24-Pad2): C24#5.2 IC1#5.5
Board_4-Net-(C25-Pad2): C25#5.2 IC2#5.5
Board_4-Net-(D1-Pad2): D1#5.2 R4#5.1
Board_4-Net-(D2-Pad2): D2#5.2 R5#5.1
Board_4-Net-(IC1-Pad1): IC1#5.1 R30#5.2
Board_4-Net-(IC2-Pad1): IC2#5.1 R31#5.2
Board_4-Net-(IC3-Pad1): IC3#5.1 R32#5.2
Board_4-Net-(IC4-Pad2): IC4#5.2
Board_4-Net-(IC4-Pad3): IC4#5.3 R17#5.2
Board_4-Net-(IC4-Pad4): IC4#5.4 R15#5.2
Board_4-Net-(IC4-Pad5): IC4#5.5 R13#5.2
Board_4-Net-(IC4-Pad21): IC4#5.21 R11#5.1
Board_4-Net-(IC4-Pad31): IC4#5.31 R16#5.2
Board_4-Net-(IC4-Pad34): IC4#5.34 R14#5.2
Board_4-Net-(IC4-Pad37): IC4#5.37 R12#5.2
Board_4-Net-(Q1-Pad4): Q1#5.4 R12#5.1
Board_4-Net-(Q2-Pad4): Q2#5.4 R13#5.1
Board_4-Net-(Q2-Pad5): Q2#5.5 Q2#5.6 Q2#5.7 Q2#5.8 R18#5.1 R21#5.1 R24#5.2
Board_4-Net-(Q3-Pad4): Q3#5.4 R14#5.1
Board_4-Net-(Q4-Pad4): Q4#5.4 R15#5.1
Board_4-Net-(Q4-Pad5): Q4#5.5 Q4#5.6 Q4#5.7 Q4#5.8 R19#5.1 R22#5.1 R26#5.2
Board_4-Net-(Q5-Pad4): Q5#5.4 R16#5.1
Board_4-Net-(Q6-Pad4): Q6#5.4 R17#5.1
Board_4-Net-(Q6-Pad5): Q6#5.5 Q6#5.6 Q6#5.7 Q6#5.8 R20#5.1 R23#5.1 R28#5.2
Board_4-Net-(R1-Pad1): R1#5.1
Board_4-Net-(R1-Pad2): R1#5.2 R2#5.1
Board_4-Net-(R10-Pad2): R10#5.2
Board_4-Net-(R20-Pad2): R20#5.2 R23#5.2 R29#5.2
Board_4-U-IA-IDC: C26#5.1 R30#5.1
Board_4-V-IA-IDC: C27#5.1 R31#5.1
Board_4-W-IA-IDC: C28#5.1 R32#5.1
Board_5-+5V: C1#6.2 C2#6.2 C3#6.2 C4#6.2 C5#6.2 C6#6.2 C7#6.2 C8#6.2 C9#6.2 C10#6.2 C12#6.1 C17#6.2 C18#6.2 C19#6.2 C23#6.1 C24#6.1 C25#6.1 C26#6.2 C27#6.2 C28#6.2 C29#6.2 C30#6.2 C31#6.2 D1#6.1 D2#6.1 IC1#6.2 IC2#6.2 IC3#6.2 IC4#6.8 IC4#6.9 J3#6.2 J5#6.2 R3#6.2 R7#6.2 R9#6.2 R11#6.2 R18#6.2 R19#6.2 R21#6.2 R22#6.2 R25#6.2 R27#6.2 U1#6.1
Board_5-/+VM: C4#6.1 C5#6.1 C12#6.2 C13#6.2 C17#6.1 C18#6.1 C19#6.1 C29#6.1 C30#6.1 C31#6.1 IC4#6.28 Q1#6.1 Q1#6.2 Q1#6.3 Q3#6.1 Q3#6.2 Q3#6.3 Q5#6.1 Q5#6.2 Q5#6.3 U1#6.2
Board_5-/ADC_I_u: J1#6.1
Board_5-/ADC_I_w: J1#6.3
Board_5-/Connectors/ADC_I_v: J1#6.2
Board_5-/Connectors/FAULT: J2#6.6
Board_5-/Connectors/Fault: R5#6.2
Board_5-/Connectors/SPI1_MISO: J2#6.4
Board_5-/Connectors/SPI1_MOSI: J2#6.3
Board_5-/Connectors/SPI1_SCK: J2#6.2
Board_5-/Connectors/VOFS: R6#6.2 R7#6.1
Board_5-/DRV_EN: IC4#6.24 J2#6.5
Board_5-/Fault: IC4#6.23
Board_5-/Motor Driver/SPI2_MISO: IC4#6.13
Board_5-/SPE: IC4#6.22 R8#6.2 R9#6.1
Board_5-/SPI2_MOSI: IC4#6.12
Board_5-/SPI2_SCK: IC4#6.11
Board_5-/U: C3#6.1 U2#6.3
Board_5-/UH: IC4#6.14 J4#6.6
Board_5-/UL: IC4#6.15 J4#6.5
Board_5-/V: C2#6.1 U2#6.2
Board_5-/VCP: C13#6.1 IC4#6.29
Board_5-/VH: IC4#6.17 J4#6.4
Board_5-/VL: IC4#6.18 J4#6.3
Board_5-/VSA: C7#6.1 IC4#6.25 R10#6.1
Board_5-/W: C1#6.1 U2#6.1
Board_5-/WH: IC4#6.19 J4#6.2
Board_5-/WL: IC4#6.20 J4#6.1
Board_5-/~{CS_DRIVER}: IC4#6.10 J2#6.1
Board_5-Net-(C6-Pad1): C6#6.1 J5#6.1 R2#6.2 R3#6.1
Board_5-Net-(C11-Pad1): C11#6.1 IC4#6.27
Board_5-Net-(C11-Pad2): C11#6.2 IC4#6.26
Board_5-Net-(C14-Pad1): C14#6.1 IC4#6.36 Q1#6.5 Q1#6.6 Q1#6.7 Q1#6.8 Q2#6.1 Q2#6.2 Q2#6.3
Board_5-Net-(C14-Pad2): C14#6.2 IC4#6.1
Board_5-Net-(C15-Pad1): C15#6.1 IC4#6.33 Q3#6.5 Q3#6.6 Q3#6.7 Q3#6.8 Q4#6.1 Q4#6.2 Q4#6.3
Board_5-Net-(C15-Pad2): C15#6.2 IC4#6.35
Board_5-Net-(C16-Pad1): C16#6.1 IC4#6.32 Q5#6.5 Q5#6.6 Q5#6.7 Q5#6.8 Q6#6.1 Q6#6.2 Q6#6.3
Board_5-Net-(C16-Pad2): C16#6.2 IC4#6.30
Board_5-Net-(C20-Pad1): C20#6.1 IC1#6.3 R24#6.1
Board_5-Net-(C20-Pad2): C20#6.2 IC1#6.4 R25#6.1
Board_5-Net-(C21-Pad1): C21#6.1 IC2#6.3 R26#6.1
Board_5-Net-(C21-Pad2): C21#6.2 IC2#6.4 R27#6.1
Board_5-Net-(C22-Pad1): C22#6.1 IC3#6.3 R28#6.1
Board_5-Net-(C22-Pad2): C22#6.2 IC3#6.4 R29#6.1
Board_5-Net-(C23-Pad2): C23#6.2 IC3#6.5
Board_5-Net-(C24-Pad2): C24#6.2 IC1#6.5
Board_5-Net-(C25-Pad2): C25#6.2 IC2#6.5
Board_5-Net-(D1-Pad2): D1#6.2 R4#6.1
Board_5-Net-(D2-Pad2): D2#6.2 R5#6.1
Board_5-Net-(IC1-Pad1): IC1#6.1 R30#6.2
Board_5-Net-(IC2-Pad1): IC2#6.1 R31#6.2
Board_5-Net-(IC3-Pad1): IC3#6.1 R32#6.2
Board_5-Net-(IC4-Pad2): IC4#6.2
Board_5-Net-(IC4-Pad3): IC4#6.3 R17#6.2
Board_5-Net-(IC4-Pad4): IC4#6.4 R15#6.2
Board_5-Net-(IC4-Pad5): IC4#6.5 R13#6.2
Board_5-Net-(IC4-Pad21): IC4#6.21 R11#6.1
Board_5-Net-(IC4-Pad31): IC4#6.31 R16#6.2
Board_5-Net-(IC4-Pad34): IC4#6.34 R14#6.2